# Altium PCB ESP32-HWE-Dev.PcbDoc (continued)
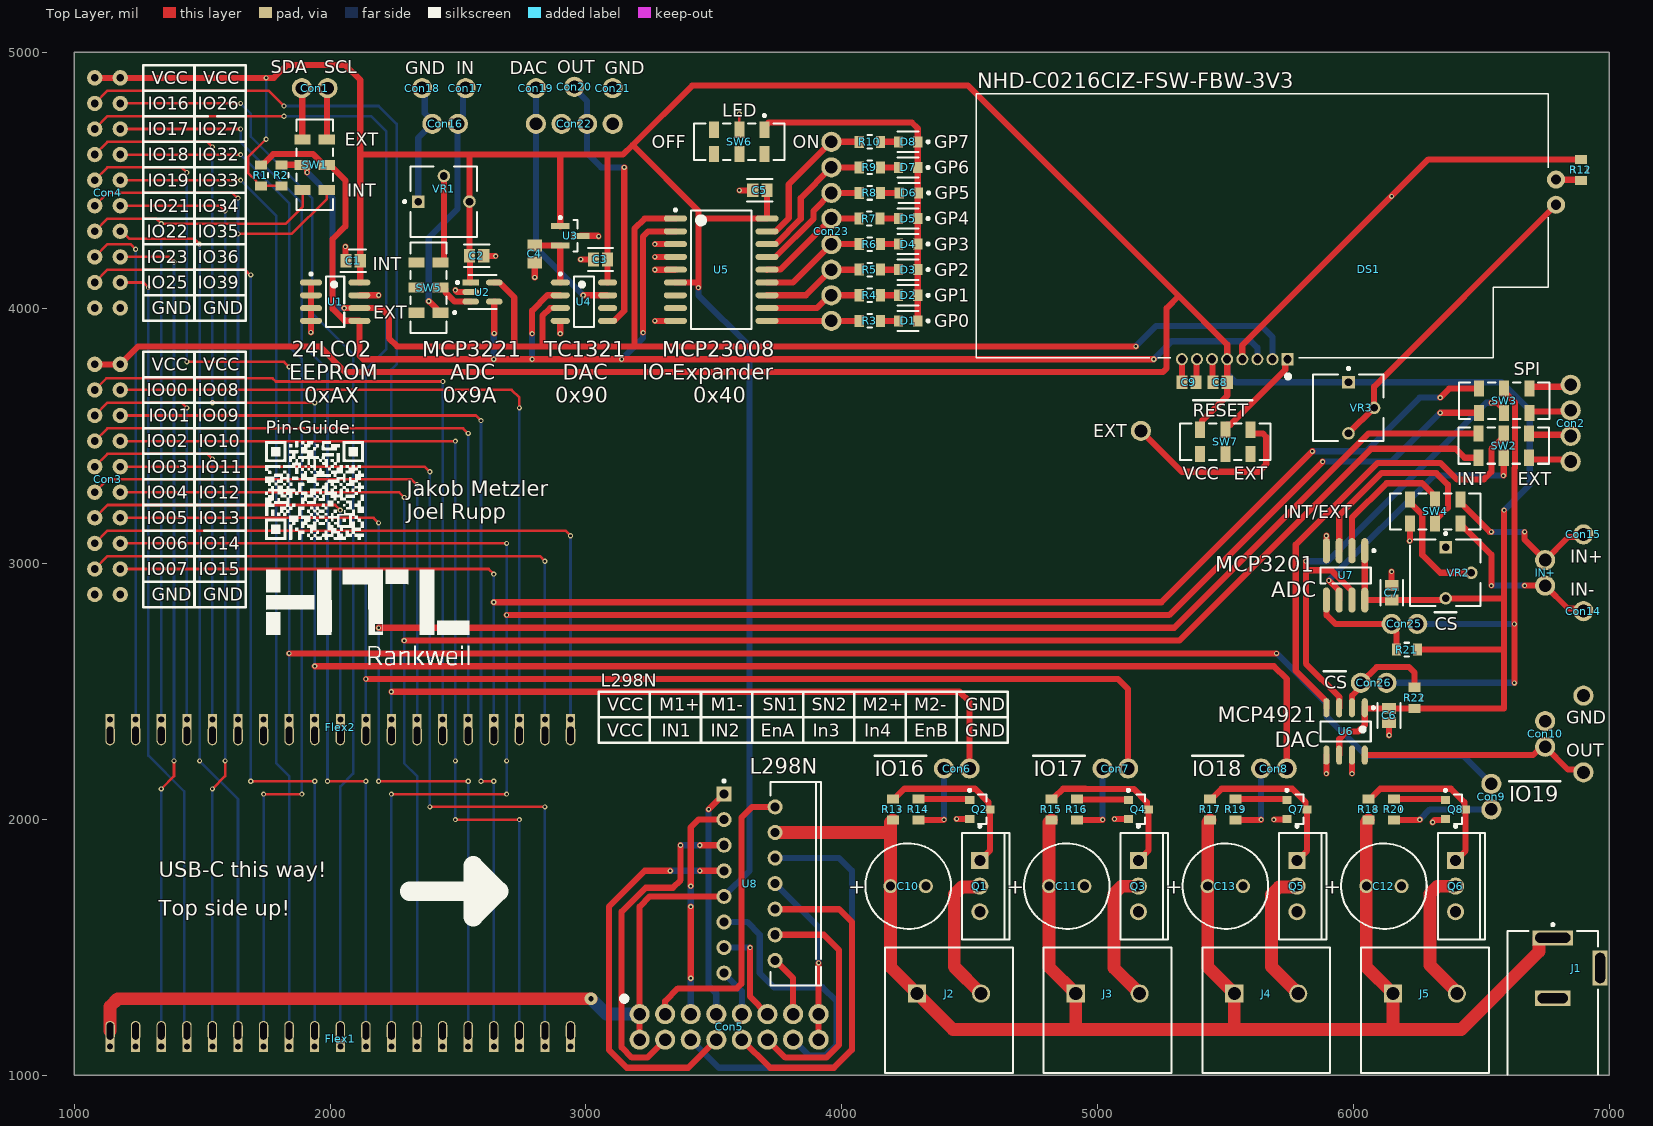
[diagram p0: Top Layer view]
## Part data (continued)
U4: library part CMP-0188-00049-2, "10-Bit Digital-to-Analog Converter with Two-Wire Interface, 8-Pin SOIC 150mil, Extended Temperature", Code_IPC=SOIC127P600-8, ComponentLink1Description="Manufacturer URL", ComponentLink1URL=http://www.microchip.com/, ComponentLink2Description=Datasheet, ComponentLink2URL=http://ww1.microchip.com/downloads/en/DeviceDoc/21387C.pdf, ComponentLink3Description="Package Specification", ComponentLink3URL=http://www.microchip.com/stellent/groups/techpub_sg/documents/packagingspec/en012702.pdf, DatasheetVersion="revC, Nov-2010", PackageDescription="8-Lead Plastic Small Outline (OA) - Narrow, 3.90mm Body [SOIC]", PackageReference=SOIC-OA8, PackageVersion="revBB, Aug-2009", RevisionNote="URLs added. DatasheetVersion updated."
U5: library part CMP-0186-00050-2, "8-Bit I/O Expander with Serial Interface, 18-Pin SOIC, Extended Temperature", Code_JEDEC=MS-013, ComponentLink1Description="Manufacturer URL", ComponentLink1URL=http://www.microchip.com/, ComponentLink2Description=Datasheet, ComponentLink2URL=http://ww1.microchip.com/downloads/en/DeviceDoc/21919e.pdf, ComponentLink3Description="Package Specification", ComponentLink3URL=http://www.microchip.com/stellent/groups/techpub_sg/documents/packagingspec/en012702.pdf, DatasheetVersion="revE, Aug-2007", PackageDescription="18-Lead Plastic Small Outline (SO) - Wide 7.50mm Body [SOIC]", PackageReference=SOIC-SO18, PackageVersion="revBB, Aug-2009", RevisionNote="URLs added."
U6: library part CMP-0188-00494-2, "12-Bit DAC with SPI Interface, 8-Pin SOIC 150mil, Extended Temperature, Tape and Reel", Code_IPC=SOIC127P600-8, Code_JEDEC=MS-012, ComponentLink1Description="Manufacturer URL", ComponentLink1URL=http://www.microchip.com/, ComponentLink2Description=Datasheet, ComponentLink2URL=http://ww1.microchip.com/downloads/en/DeviceDoc/22248a.pdf, ComponentLink3Description="Package Specification", ComponentLink3URL=http://www.microchip.com/stellent/groups/techpub_sg/documents/packagingspec/en012702.pdf, DatasheetVersion="revA, Apr-2010", PackageDescription="8-Lead Plastic Small Outline (SN) - Narrow, 3.90mm Body [SOIC]", PackageReference=SOIC-SN8, PackageVersion="revBB, Aug-2009", RevisionNote="URLs added. DatasheetVersion updated. Sch updated."
U7: library part CMP-0188-00467-2, "2.7V 12-Bit A/D Converter with SPI Serial Interface, 8-Pin SOIC 150mil, C Performance Grade, Industrial Temperature, Tape and Reel", Code_IPC=SOIC127P600-8, Code_JEDEC=MS-012, ComponentLink1Description="Manufacturer URL", ComponentLink1URL=http://www.microchip.com/, ComponentLink2Description=Datasheet, ComponentLink2URL=http://ww1.microchip.com/downloads/en/DeviceDoc/21290F.pdf, ComponentLink3Description="Package Specification", ComponentLink3URL=http://www.microchip.com/stellent/groups/techpub_sg/documents/packagingspec/en012702.pdf, DatasheetVersion="revF, Aug-2011", PackageDescription="8-Lead Plastic Small Outline (SN) - Narrow, 3.90mm Body [SOIC]", PackageReference=SOIC-SN8, PackageVersion="revBB, Aug-2009", RevisionNote="URLs added. DatasheetVersion updated."
U8: library part CMP-2000-06526-1, "Dual Full-Bridge Driver, 4.8 to 46 V, -40 to 150 degC, 15-Pin FM (MW 15L), RoHS, Tube", Driver Case Style=Multiwatt, Manufacturer=STMicroelectronics, Operating Temperature Max=130°C, Operating Temperature Min=-25°C, Output Current=2A, Output Voltage=46V, Package Description="15-Pin Flange Mount, Body 5 x 19.6 mm, Pitch 1.27 mm", Package Reference=FM-15, PartNumber=L298, Supply Voltage Max=7V, Supply Voltage Min=4.5V, Automotive Qualification Standard=-, Datasheet URL=https://datasheet.ciiva.com/15109/getdatasheetpartid-50682-15109332.pdf, Datasheet Version=01/2000, Manufacturer URL=http://www.st.com/, Motor Type=FullBridge, Mounting Technology=ThroughHole, MSL=-, No. of Outputs=4Outputs, No. of Pins=15Pins, Packaging=Each, Product Range=-, SVHC=NoSVHC(17-Dec-2015)
VR1 VR2 VR3: library part CMP-1747-00004-1, "Square Trimpot(R) Trimming Potentiometer, 10 KOhm, 300 V, -55 to 125 degC, 3-Pin THD, RoHS, Tube", Case Code (Imperial)=0612, Case Code (Metric)=1632, Case/Package=1206, Max Operating Temperature=125degC, Min Operating Temperature=-25degC, Package Quantity=5000, Power Rating="1 W", Resistance="50 mohm", Tolerance=1%, Voltage Rating="220 mV", ComponentLink1Description="Manufacturer URL", ComponentLink1URL=http://www.bourns.com/, ComponentLink2Description=Datasheet, ComponentLink2URL=http://www.bourns.com/docs/Product-Datasheets/3362.pdf, DatasheetVersion=May-16, Height="0.6 mm", Length="3.2 mm", Mount="Surface Mount", PackageDescription="3-Pin Through Hole Device, Body 6.6 x 6.99 mm, Pitch 2.54 mm", PackageReference=3326P, Packaging="Tape and Reel", Pins=2, REACH SVHC="No SVHC", RoHSCompliant=True, Width="1.6 mm"

## Via types
v1: diameter 20, hole 10, Top Layer to Bottom Layer, 140 vias
v2: diameter 50, hole 20, Top Layer to Bottom Layer, 1 vias

## Nets (pads, with @x,y where several pads share a name; then routed paths per layer and width w, separated by ;. In a path a pad name is that pad's centre, name@x,y a point inside that pad or via, vN(x,y) a via of type N, cw(c..) or ccw(c..) an arc to the next point about the centre after c; other vN are vias at no path point)
+12: C10.1 C11.1 C12.1 C13.1 J1.1 J2.1 J3.1 J4.1 J5.1 R13.1 R15.1 R17.1 R18.1 U8.4 | length 6491.9
  Top Layer w50: U8.4 4191.1,1950 ; R13.1 4191.1,1989.76 4191.1,1950 ; R15.1 4811.1,1989.76 C11.1 4811.1,1423.9 J3.1 4915,1185 4920,1180 ; R17.1 5431.1,1989.76 C13.1 5431.1,1423.9 J4.1 5535,1185 5540,1180 ; R18.1 6051.1,1989.76 C12.1 6051.1,1423.9 J5.1 6155,1185 ; J1.1 6730.79,1538.11 6726.26,1533.58 6726.26,1484.37 6421.89,1180 5540,1180 ; 4191.1,1950 C10.1 4191.1,1423.9 J2.1 4435,1180 4920,1180 ; 4920,1180 5540,1180
GND: C1.2 C2.2 C3.2 C4.2 C5.2 C6.2 C7.2 C10.2 C11.2 C12.2 C13.2 Con3.10 Con3.20 Con4.10 Con4.20 Con5.8 Con5.16 Con10.1 Con16.2 Con18.1 Con21.1 Con22.2 Con22.4 DS1.4 Flex1.14 Flex2.1 Flex2.7 GND.1 J1.2 J1.3 Q1.3 Q2.2 Q3.3 Q4.2 Q5.3 Q6.3 Q7.2 Q8.2 R12.2 SW4.7 SW6.2 U1.1 U1.2 U1.3 U1.4 U1.7 U2.2 U3.3 U4.4 U5.3 U5.4 U5.5 U5.9 U6.5 U6.7 U7.4 U8.8 VR1.1 VR2.1 | length 4554.9
  Top Layer w10: Con16.2@2395.63,4724.37 Con16.2 ; SW6.2 v1(3600,4760)
  Top Layer w24: v1(1925,3905) 1925.32,3905.32 1925.32,3949.81 U1.4 U1.3 U1.2 U1.1 ; v1(2060,4240) 2060,4187.21 C1.2 ; U1.7 v1(2190,4050) ; v1(2490,4070) 2497.34,4062.66 2549.94,4062.66 U2.2 ; C2.2 2608.29,4205 2610.32,4202.97 v1(2647.03,4202.97) ; v1(2800,4120) C4.2 ; v1(2900,3900) U4.4 ; U3.3 3047.4,4282.6 v1(3050,4280) ; v1(2980,4190) C3.2 ; v1(3270,3950) U5.9 ; v1(3270,4150) U5.5 ; v1(3270,4200) U5.4 ; v1(3270,4250) U5.3 ; v1(3600,4460) C5.2 ; Con5.8 Con5.16 v1(3910,1440) ; v1(4449.11,2002.77) 4449.28,2002.6 Q2.2 ; v1(5066.6,2002.51) 5066.68,2002.6 Q4.2 ; DS1.4 5566.22,3853.9 6293.66,4581.34 R12.2 ; v1(5690,2000) 5738.03,2000 Q7.2 ; v1(5895,2180) U6.5 ; U7.4 v1(5895,3109.75) ; v1(5995,2180) U6.7 ; v1(6140,2330) C6.2 ; C7.2 v1(6150,2970) ; v1(6220,3090) 6221.57,3091.57 SW4.7 ; v1(6310,1990) 6318.85,1998.85 6356.88,1998.85 Q8.2
  Top Layer w50: Q1.3@4540,1635.42 Q1.3
  Bottom Layer w24: VR1.1 2345,4665 Con16.2 2400,4731.43 2370,4761.43 Con18.1@2370,4874.76 ; U8.8 3910,1580 v1(3910,1440)
  other v1: 6149.79,4436.88
NetC4_1: C4.1 U3.2 U4.1 | length 245.3
  Top Layer w10: C4.1 C4.1@2800.2,4245.2
  Top Layer w24: C4.1@2800.2,4245.2 U3.2 U4.1
NetC8_1: C8.1 DS1.6 | length 91.8
  Top Layer w24: DS1.6 5450.28,3797.83 5450.28,3712.17 C8.1
NetC9_1: C9.1 DS1.8 | length 90
  Top Layer w24: C9.1 DS1.8
NetC9_2: C9.2 DS1.7 | length 91.6
  Top Layer w24: C9.2 5387.09,3711.97 5387.09,3798.03 DS1.7
NetCon1_1: Con1.1 SW1.3 | length 202.7
  Top Layer w24: SW1.3 1988.62,4659.8 1988.62,4858.62 Con1.1
NetCon1_2: Con1.2 SW1.7 | length 202.7
  Top Layer w24: Con1.2 1891.38,4858.62 1891.38,4659.8 SW1.7
NetCon2_1: Con2.1 SW2.3 | length 169.4
  Top Layer w24: SW2.3 6694.35,3407.5 6842.5,3407.5 Con2.1
NetCon2_2: Con2.2 SW2.7 | length 167.1
  Top Layer w24: SW2.7 6691.59,3504.74 6845.26,3504.74 Con2.2
NetCon2_3: Con2.3 SW3.3 | length 165.5
  Top Layer w24: SW3.3 6693.17,3595.26 6845.26,3595.26 Con2.3
NetCon2_4: Con2.4 SW3.7 | length 167.8
  Top Layer w24: SW3.7 6695.93,3692.5 6842.5,3692.5 Con2.4
NetCon3_2: Con3.2 Flex2.14 | length 2707.2
  Top Layer w10: Con3.2 1125,3725 1775.7,3725 1787.75,3712.95 v1(2441.15,3712.95)
  Bottom Layer w10: Flex2.14@2440,2391.02 2441.15,2392.18 v1(2441.15,3712.95)
NetCon3_3: Con3.3 Flex2.4 | length 1608.1
  Top Layer w10: Con3.3 1130,3630 1420,3630 v1(1440,3610)
  Bottom Layer w10: Flex2.4@1440,2391.02 1440.17,2391.2 1440.17,3609.83 v1(1440,3610)
NetCon3_4: Con3.4 Flex2.15 | length 2608
  Top Layer w10: Con3.4 1130,3530 2520,3530 v1(2540,3510)
  Bottom Layer w10: Flex2.15@2540,2391.02 v1(2540,3510)
NetCon3_5: Con3.5 Flex2.5 | length 1508
  Top Layer w10: Con3.5 1130,3430 1520,3430 v1(1540,3410)
  Bottom Layer w10: Flex2.5@1540,2391.02 v1(1540,3410)
NetCon3_6: Con3.6 Flex2.13 | length 2208
  Top Layer w10: Con3.6 1130,3330 2317.57,3330 2337.57,3310 v1(2340,3310)
  Bottom Layer w10: Flex2.13@2340,2391.02 v1(2340,3310)
NetCon3_7: Con3.7 Flex2.10 | length 1808
  Top Layer w10: Con3.7 1130,3230 2020,3230 v1(2040,3210)
  Bottom Layer w10: Flex2.10@2040,2391.02 v1(2040,3210)
NetCon3_8: Con3.8 Flex2.19 | length 2608
  Top Layer w10: Con3.8 1130,3130 2920,3130 v1(2940,3110)
  Bottom Layer w10: Flex2.19@2940,2391.02 v1(2940,3110)
NetCon3_9: Con3.9 Flex2.18 | length 2408
  Top Layer w10: Con3.9 1130,3030 2820,3030 v1(2840,3010)
  Bottom Layer w10: Flex2.18@2840,2391.02 v1(2840,3010)
NetCon3_12: Con3.12 Flex2.17 | length 2831.4
  Top Layer w10: Con3.12 2710,3680 2740,3650 v1(2740,3610)
  Bottom Layer w10: Flex2.17@2740,2391.02 v1(2740,3610)
NetCon3_13: Con3.13 Flex1.16 | length 3854.4
  Top Layer w10: Con3.13 2570,3580 v1(2590,3560) ; v1(2590,2150) v1(2640,2150)
  Bottom Layer w10: v1(2590,2150) 2590,2230 v1(2590,3560) ; Flex1.16@2640,1173.86 v1(2640,2150)
NetCon3_14: Con3.14 Flex1.17 | length 3866.1
  Top Layer w10: Con3.14 v1(2490,3480) ; v1(2490,2000) v1(2740,2000)
  Bottom Layer w10: v1(2490,2000) v1(2490,2230) v1(2490,3480) ; Flex1.17@2740,1173.86 v1(2740,2000)
NetCon3_15: Con3.15 Flex1.18 | length 3854.4
  Top Layer w10: Con3.15 2370,3380 v1(2390,3360) ; v1(2390,2050) v1(2840,2050)
  Bottom Layer w10: v1(2390,2050) v1(2390,3360) ; Flex1.18@2840,1173.86 v1(2840,2050)
NetCon3_16: Con3.16 Flex1.13 SW2.1 | length 7750.3
  Top Layer w10: Con3.16 2270,3280 v1(2290,3260)
  Top Layer w24: v1(2290,2700) 5320,2700 6070,3450 6400,3450 6435,3415 SW2.1
  Bottom Layer w10: v1(2290,3260) v1(2290,2700) 2290,2220 2340,2170 Flex1.13@2340,1173.86
NetCon3_17: Con3.17 Flex1.15 SW2.5 | length 7969
  Top Layer w10: Con3.17 2170,3180 v1(2190,3160) ; v1(2190,2150) v1(2540,2150)
  Top Layer w24: v1(2190,2750) 5300,2750 6059.49,3509.49 SW2.5
  Bottom Layer w10: v1(2190,2150) v1(2190,2750) v1(2190,3160) ; Flex1.15@2540,1173.86 v1(2540,2150)
NetCon3_18: Con3.18 Flex1.12 SW3.1 | length 7995.2
  Top Layer w10: Con3.18 v1(2690,3080) ; v1(2240,2100) v1(2690,2100)
  Top Layer w24: v1(2690,2800) 5280,2800 v1(5880,3400) ; v1(6340,3590.51) SW3.1
  Bottom Layer w10: Flex1.12@2240,1173.86 v1(2240,2100) ; v1(2690,2100) v1(2690,2230) v1(2690,2800) v1(2690,3080)
  Bottom Layer w24: v1(5880,3400) 6149.49,3400 v1(6340,3590.51)
NetCon3_19: Con3.19 Flex2.16 SW3.5 | length 6234.7
  Top Layer w10: Con3.19 2620,2980 v1(2640,2960)
  Top Layer w24: v1(2640,2850) 5250,2850 v1(5840,3440) ; v1(6340,3650) 6375,3685 SW3.5
  Bottom Layer w10: Flex2.16@2640,2391.02 v1(2640,2850) v1(2640,2960)
  Bottom Layer w24: v1(5840,3440) 6050,3440 6260,3650 v1(6340,3650)
NetCon4_2: Con4.2 Con6.1 Flex2.12 | length 6128.4
  Top Layer w10: Con4.2 1130,4850 1760,4850 v1(1820,4790)
  Top Layer w24: v1(2240,2500) 4460,2500 4500,2460 Con6.1
  Bottom Layer w10: v1(1820,4790) 2190,4790 2260,4720 2260,3780 2240,3760 v1(2240,2500) Flex2.12@2240,2391.02
NetCon4_3: Con4.3 Con7.1 Flex2.11 | length 6824.2
  Top Layer w10: Con4.3 1130,4750 v1(1820,4750)
  Top Layer w24: v1(2140,2550) 5080,2550 5120,2510 Con7.1
  Bottom Layer w10: v1(1820,4750) 2160,4750 2220,4690 2220,3840 2140,3760 v1(2140,2550) Flex2.11@2140,2391.02
NetCon4_4: Con4.4 Con8.1 Flex2.9 | length 7298.7
  Top Layer w10: Con4.4 1130,4650 1520,4650 v1(1540,4630) ; v1(1540,3630) v1(1940,3630)
  Top Layer w24: v1(1940,2600) 5690,2600 5740,2550 Con8.1
  Bottom Layer w10: v1(1540,3630) v1(1540,4630) ; Flex2.9@1940,2391.02 v1(1940,2600) v1(1940,3630)
NetCon4_5: Con4.5 Con9.1 Flex2.8 | length 7856.8
  Top Layer w10: Con4.5 1130,4550 1420,4550 v1(1440,4530) ; v1(1440,3790) 1820,3790 v1(1840,3770)
  Top Layer w24: v1(1840,2650) v1(5700,2650)
  Bottom Layer w10: v1(1440,3790) v1(1440,4530) ; Flex2.8@1840,2391.02 v1(1840,2650) v1(1840,3770)
  Bottom Layer w24: v1(5700,2650) 5895,2455 5895,2405 6050,2250 6430,2250 Con9.1
NetCon4_6: Con4.6 Flex2.6 SW1.1 | length 3066.4
  Top Layer w10: Con4.6 1130,4450 1617.57,4450 1637.57,4430 v1(1640,4430) ; v1(1640,4290) 1850,4290 1987.24,4427.24 SW1.1
  Bottom Layer w10: Flex2.6@1640,2391.02 v1(1640,4290) v1(1640,4430)
NetCon4_7: Con4.7 Flex2.3 SW1.5 | length 2874
  Top Layer w10: Con4.7 1130,4350 1320,4350 v1(1340,4330) 1827.39,4330 1892.76,4395.37 SW1.5
  Bottom Layer w10: Flex2.3@1340,2391.02 v1(1340,4330)
NetCon4_8: Con4.8 Flex2.2 | length 2028
  Top Layer w10: Con4.8 1130,4250 1220,4250 v1(1240,4230)
  Bottom Layer w10: Flex2.2@1240,2391.02 v1(1240,4230)
NetCon4_9: Con4.9 Flex1.9 | length 3845.1
  Top Layer w10: Con4.9 1130,4150 1667.57,4150 1687.57,4130 v1(1690,4130) ; v1(1690,2150) v1(1940,2150)
  Bottom Layer w10: v1(1690,2150) v1(1690,4130) ; Flex1.9@1940,1173.86 v1(1940,2150)
NetCon4_12: Con4.12 Flex1.10 | length 4299.1
  Top Layer w10: Con4.12 v1(1650,4800)
  Bottom Layer w10: v1(1650,4800) 1690,4760 1690,4670 1930,4430 1930,3980 2090,3820 2090,2230 2090,2180 2040,2130 Flex1.10@2040,1173.86
NetCon4_13: Con4.13 Flex1.11 | length 4287
  Top Layer w10: Con4.13 v1(1650,4700) ; v1(1990,2150) v1(2140,2150)
  Bottom Layer w10: v1(1650,4700) 1650,4650 1890,4410 1890,3860 1990,3760 v1(1990,2150) ; Flex1.11@2140,1173.86 v1(2140,2150)
NetCon4_14: Con4.14 Flex1.7 | length 4145.6
  Top Layer w10: Con4.14 v1(1650,4600) ; v1(1740,2100) v1(1890,2100)
  Bottom Layer w10: v1(1650,4600) 1840,4410 1840,3850 1890,3800 v1(1890,2100) ; Flex1.7@1740,1173.86 v1(1740,2100)
NetCon4_15: Con4.15 Flex1.8 | length 3874.8
  Top Layer w10: Con4.15 v1(1650,4500)
  Bottom Layer w10: v1(1650,4500) 1790,4360 1790,2220 1840,2170 Flex1.8@1840,1173.86
NetCon4_16: Con4.16 Flex1.5 | length 3645.1
  Top Layer w10: Con4.16 1567.57,4400 1587.57,4380 v1(1590,4380) ; v1(1540,2120) 1590,2170 v1(1590,2230)
  Bottom Layer w10: Flex1.5@1540,1173.86 v1(1540,2120) ; v1(1590,2230) v1(1590,4380)
NetCon4_17: Con4.17 Flex1.6 | length 3469
  Top Layer w10: Con4.17 1185.99,4300 1214.81,4271.17 1468.83,4271.17 v1(1490,4250)
  Bottom Layer w10: v1(1490,4250) v1(1490,2230) 1640,2080 Flex1.6@1640,1173.86
NetCon4_18: Con4.18 Flex1.3 | length 3245.1
  Top Layer w10: Con4.18 1370,4200 v1(1390,4180) ; v1(1340,2120) 1390,2170 v1(1390,2230)
  Bottom Layer w10: Flex1.3@1340,1173.86 v1(1340,2120) ; v1(1390,2230) v1(1390,4180)
NetCon4_19: Con4.19 Flex1.4 | length 3086.6
  Top Layer w10: Con4.19 1270,4100 v1(1290,4080)
  Bottom Layer w10: v1(1290,4080) 1290,2250 1430,2110 1430,1211.94 1440,1201.94 Flex1.4@1440,1173.86
NetCon5_2: Con5.2 U8.5 | length 1332.9
  Top Layer w24: Con5.2 3240,1070 3180,1070 3140,1110 3140,1640 3234,1734 3340,1734 3370,1764 v1(3370,1900) ; v1(3446,1900) U8.5
  Bottom Layer w24: v1(3370,1900) v1(3446,1900)
NetCon5_3: Con5.3 U8.7 | length 1562.5
  Top Layer w24: v1(3330,1800) 3230,1800 3090,1660 3090,1100 3160,1030 3400,1030 Con5.3 ; v1(3446,1800) U8.7
  Bottom Layer w24: v1(3330,1800) v1(3446,1800)
NetCon5_4: Con5.4 U8.6 | length 1725.3
  Bottom Layer w24: Con5.4 3520,1030 3970,1030 4040,1100 4040,1800 3990,1850 U8.6
NetCon5_5: Con5.5 U8.10 | length 1325.3
  Top Layer w24: Con5.5 3720,1030 3970,1030 4040,1100 4040,1600 3990,1650 U8.10
NetCon5_6: Con5.6 U8.12 | length 974.6
  Top Layer w24: Con5.6 3780,1070 3940,1070 3990,1120 3990,1490 3930,1550 U8.12
NetCon5_7: Con5.7 U8.11 | length 1038.8
  Bottom Layer w24: U8.11 3630,1600 3680,1550 3680,1400 3735,1345 3925,1345 3980,1290 3980,1120 3938.63,1078.63 3871.37,1078.63 Con5.7
NetCon5_10: Con5.10 U8.2 | length 1175.6
  Top Layer w24: Con5.10 3310,1290 3360,1340 3590,1340 3608,1358 3608,2008 3650,2050 U8.2
NetCon5_11: Con5.11 U8.3 | length 872.4
  Top Layer w24: v1(3410,1380) v1(3410,1660) ; v1(3410,1740) 3410,1970 3440,2000 U8.3
  Bottom Layer w24: Con5.11 v1(3410,1380) ; v1(3410,1660) v1(3410,1740)
NetCon5_12: Con5.12 U8.1 | length 897.3
  Top Layer w24: v1(3480,2040) U8.1
  Bottom Layer w24: v1(3480,2040) 3480,1350 3510,1320 Con5.12
NetCon5_13: Con5.13 U8.15 | length 189
  Bottom Layer w24: U8.15 3610,1330 Con5.13
NetCon5_14: Con5.14 U8.13 | length 390.2
  Top Layer w24: v1(3642,1500) 3642,1308 Con5.14
  Bottom Layer w24: U8.13 v1(3642,1500)
NetCon5_15: Con5.15 U8.14 | length 239
  Top Layer w24: U8.14 3810,1380 Con5.15
NetCon6_2: Con6.2 R14.1 | length 280.6
  Top Layer w24: R14.1 4398.66,1998.66 v1(4400,2000)
  Bottom Layer w24: v1(4400,2000) Con6.2@4400,2180
NetCon7_2: Con7.2 R16.1 | length 280.6
  Top Layer w24: R16.1 5018.66,1998.66 v1(5020,2000)
  Bottom Layer w24: v1(5020,2000) Con7.2@5020,2180
NetCon8_2: Con8.2 R19.1 | length 280.6
  Top Layer w24: R19.1 5638.66,1998.66 v1(5640,2000)
  Bottom Layer w24: v1(5640,2000) Con8.2@5640,2180
NetCon9_2: Con9.2 R20.1 | length 397.1
  Top Layer w24: R20.1 6258.66,1998.66 v1(6260,2000)
  Bottom Layer w24: v1(6260,2000) 6300,2040 Con9.2
NetCon10_2: Con10.2 OUT.1 U6.8 | length 909.9
  Top Layer w24: U6.8 6702.67,2252.48 6735.19,2285 Con10.2 6839.53,2195.47 6889.53,2195.47 OUT.1
NetCon13_1: Con14.1 IN+.1 SW4.5 | length 694.5
  Top Layer w24: SW4.5 6540,3036.18 v1(6540,2915) ; v1(6670,2915) IN+.1 6839.53,2825.47 6889.53,2825.47 Con14.1
  Bottom Layer w24: v1(6540,2915) v1(6670,2915)
NetCon13_2: Con15.1 IN+.2 SW4.1 | length 645.8
  Top Layer w24: SW4.1 6418.43,3240.43 6533.86,3125 v1(6540,3125) ; v1(6670,3125) 6670,3095 IN+.2 6839.53,3104.53 6889.53,3104.53 Con15.1
  Bottom Layer w24: v1(6540,3125) v1(6670,3125)
NetCon16_1: Con16.1 Con17.1 SW5.1 | length 981
  Top Layer w10: Con17.1@2530,4851.4 Con17.1@2530,4870
  Top Layer w24: v1(2385.94,4026.65) 2387.17,4026.65 SW5.1
  Bottom Layer w24: v1(2385.94,4026.65) 2385.94,4275.08 2498.39,4387.53 2498.39,4733.21 2520,4754.81 Con17.1@2520,4868.58
NetCon19_1: Con19.1 Con22.1 U4.7 | length 981.7
  Top Layer w24: v1(2990,4050) U4.7
  Bottom Layer w24: Con19.1 Con22.1 2805,4235 v1(2990,4050)
NetCon20_1: Con20.1 Con22.3 U4.5 | length 1090.2
  Top Layer w24: U4.5 3110.25,3950 3150,3989.75 v1(3150,4550)
  Bottom Layer w24: Con20.1 2955,4858.41 3005,4808.41 Con22.3 3005,4605 3060,4550 v1(3150,4550)
NetCon23_1: Con23.1 R3.2 U5.10 | length 360.4
  Top Layer w24: U5.10 Con23.1 R3.2
NetCon23_2: Con23.2 R4.2 U5.11 | length 381.1
  Top Layer w24: U5.11 3903.41,4000 3953.41,4050 Con23.2 R4.2
NetCon23_3: Con23.3 R5.2 U5.12 | length 401.8
  Top Layer w24: U5.12 3860,4050 Con23.3 R5.2
NetCon23_4: Con23.4 R6.2 U5.13 | length 422.5
  Top Layer w24: U5.13 3810,4100 Con23.4 R6.2
NetCon23_5: Con23.5 R7.2 U5.14 | length 441.9
  Top Layer w24: U5.14 3708.46,4150.19 3760.19,4150.19 Con23.5 R7.2
NetCon23_6: Con23.6 R8.2 U5.15 | length 482.3
  Top Layer w24: U5.15 3741.35,4200 3890,4348.65 3890,4380 Con23.6 R8.2
NetCon23_7: Con23.7 R9.2 U5.16 | length 499
  Top Layer w24: U5.16@3741.54,4250.19 3840,4348.65 3840,4430 Con23.7 R9.2
NetCon23_8: Con23.8 R10.2 U5.17 | length 549
  Top Layer w24: U5.17@3741.54,4300.19 3793.34,4351.98 3793.34,4483.34 Con23.8 R10.2
NetCon24_1: EXT.1 SW7.7 | length 752
  Top Layer w24: EXT.1 5330,3360 5630,3360 5660,3390 5660,3495.94 5645.94,3510 5606.11,3510 5598.43,3517.69 SW7.7
NetCon25_1: Con25.1 R21.2 U7.5 | length 435.8
  Top Layer w24: U7.5 5895.68,2857.86 5895.68,2799.32 5930,2765 Con25.1 6150,2750.19 6168.66,2731.53 R21.2
NetCon25_2: Con25.2 Con26.1 SW3.6 | length 2048
  Top Layer w24: SW3.6 6590,3673.19 6631.68,3631.5 6631.68,3375.97 6630,3374.28 v1(6630,2765) v1(6630,2535)
  Bottom Layer w24: Con26.1 v1(6630,2535) ; Con25.2 v1(6630,2765)
NetCon26_2: Con26.2 R22.2 U6.2 | length 413.6
  Top Layer w24: U6.2 5995.19,2437.71 5995.19,2485.38 6030,2520.19 Con26.2 6091.37,2596.37 6218.63,2596.37 6240,2575 R22.2
NetD1_1: D1.1 D2.1 D3.1 D4.1 D5.1 D6.1 D7.1 D8.1 SW6.1 | length 1379.3
  Top Layer w24: SW6.1 3698.43,4709.06 3714.37,4725 4275,4725 4297.4,4702.6 D8.1 D7.1 D5.1 D4.1 D3.1 D2.1 D1.1
NetD1_2: D1.2 R3.1 | length 71.3
  Top Layer w24: R3.1 D1.2
NetD2_2: D2.2 R4.1 | length 71.3
  Top Layer w24: R4.1 D2.2
NetD3_2: D3.2 R5.1 | length 71.3
  Top Layer w24: R5.1 D3.2
NetD4_2: D4.2 R6.1 | length 71.3
  Top Layer w24: R6.1 D4.2
NetD5_2: D5.2 R7.1 | length 72.6
  Top Layer w24: R7.1 D5.2
NetD6_2: D6.2 R8.1 | length 73.9
  Top Layer w24: R8.1 D6.2
NetD7_2: D7.2 R9.1 | length 71.3
  Top Layer w24: R9.1 D7.2
NetD8_2: D8.2 R10.1 | length 71.3
  Top Layer w24: R10.1 D8.2
NetDS1_1: DS1.1 SW7.6 | length 383.2
  Top Layer w24: SW7.6 5500,3536.3 5507.69,3543.98 5519.5,3543.98 5734.37,3758.86 5734.37,3790.99 DS1.1
NetDS1_2: DS1.2 R2.2 SW1.6 U1.6 U2.5 U4.3 U5.1 | length 5723.3
  Top Layer w24: R2.2 SW1.6 1902.31,4560 1910,4552.31 v1(1910,4530) ; v1(2055.25,4000) 2200,4000 2230,3970 2230,3882.57 2262.57,3850 2830,3850 ; U2.5 2661.91,4100 2720,4041.91 2720,3864.06 ; U4.3 2860,4000 2830,3970 2830,3850 ; U5.1 3230,4350 3190,4310 3190,3850 ; v1(5150,3850) 3190,3850 ; 2830,3850 3190,3850
  Bottom Layer w24: v1(1910,4530) 2010,4430 2010,4030 2040,4000 v1(2055.25,4000) ; v1(5150,3850) 5230,3930 5640,3930 5684.33,3885.67 DS1.2
NetDS1_3: DS1.3 R1.2 SW1.2 U1.5 U2.4 U4.2 U5.2 | length 5972.1
  Top Layer w24: R1.2 1735.91,4560 1777.59,4601.69 1933.75,4601.69 1975.43,4560 SW1.2 1999.06,4560 2060,4499.06 2060,4320 2010,4270 2010,3997.17 2056.98,3950.19 2114.3,3950.19 U1.5 2114.49,3815.51 2130,3800 v1(2640,3800) v1(5220,3800) ; v1(2641.72,3901.11) 2641.83,3901.22 U2.4 ; v1(2790,3900) 2790,3990 2850,4050 U4.2 ; v1(3224,3904) 3224,4279.94 3244.06,4300 U5.2
  Bottom Layer w24: v1(2640,3800) 2640,3899.39 v1(2641.72,3901.11) ; v1(2790,3800) v1(2790,3900) ; v1(3140,3800) 3224,3884 v1(3224,3904) ; v1(5220,3800) 5290,3870 5600,3870 5625.28,3844.72 DS1.3
NetDS1_A: DS1.A VR3.2 VR3.3 | length 1230
  Top Layer w24: VR3.3 VR3.2 6081.38,3692.72 DS1.A
NetDS1_K: DS1.K R12.1 | length 97.8
  Top Layer w24: DS1.K 6793.11,4501.85 6889.49,4501.85 R12.1@6890,4501.34
NetFlex1_2: Flex1.2
NetFlex1_19: Flex1.19
NetJ2_2: J2.2 Q1.2 | length 544.4
  Top Layer w50: Q1.2 4536.76,1736.76 4469.29,1736.76 4440,1707.47 4440,1425 J2.2
NetJ3_2: J3.2 Q3.2 | length 539.3
  Top Layer w50: Q3.2 5094.29,1740 5065,1710.71 5065,1420 J3.2
NetJ4_2: J4.2 Q5.2 | length 544.4
  Top Layer w50: Q5.2 5776.76,1736.76 5709.29,1736.76 5680,1707.47 5680,1425 J4.2
NetJ5_2: J5.2 Q6.2 | length 546.3
  Top Layer w50: Q6.2 6329.29,1740 6300,1710.71 6300,1430.65 6405,1325.65 J5.2
NetQ1_1: Q1.1 Q2.3 R13.2 | length 660.5
  Top Layer w24: R13.2 4205.91,2081.34 4245.62,2121.06 4521.55,2121.06 4573.65,2068.96 4573.65,2043.75 4577.4,2040 Q2.3 4579.37,1879.37 Q1.1
NetQ2_1: Q2.1 R14.2 | length 202.3
  Top Layer w24: R14.2 4494.72,2081.34 4498.66,2077.4 Q2.1
NetQ3_1: Q3.1 Q4.3 R15.2 | length 660.5
  Top Layer w24: R15.2 4825.72,2087.06 4831.62,2087.06 4865.62,2121.06 4952.73,2121.06 4953.79,2120 5142.61,2120 5193.65,2068.96 5193.65,2043.75 5197.4,2040 Q4.3 5199.37,1879.37 Q3.1
NetQ4_1: Q4.1 R16.2 | length 202.3
  Top Layer w24: R16.2 4921.97,2079.37 5118.66,2079.37 Q4.1
NetQ5_1: Q5.1 Q7.3 R17.2 | length 660.5
  Top Layer w24: R17.2 5445.91,2081.34 5485.62,2121.06 5761.55,2121.06 5813.65,2068.96 5813.65,2043.75 5817.4,2040 Q7.3 5819.37,1879.37 Q5.1
NetQ6_1: Q6.1 Q8.3 R18.2 | length 660.5
  Top Layer w24: R18.2 6065.91,2081.34 6105.62,2121.06 6381.55,2121.06 6433.65,2068.96 6433.65,2043.75 6437.4,2040 Q8.3 6439.37,1879.37 Q6.1
NetQ7_1: Q7.1 R19.2 | length 202.3
  Top Layer w24: R19.2 5734.72,2081.34 5738.66,2077.4 Q7.1
NetQ8_1: Q8.1 R20.2 | length 202.3
  Top Layer w24: R20.2 6354.72,2081.34 6358.66,2077.4 Q8.1
NetSW2_2: SW2.2 U7.6 | length 1015.9
  Top Layer w24: v1(5904.58,2935) 5945,2894.58 U7.6 ; v1(6586.79,3344.97) 6588.43,3346.61 SW2.2
  Bottom Layer w24: v1(5904.58,2935) 6314.55,3344.97 v1(6586.79,3344.97)
NetSW2_6: SW2.6 U6.4 | length 1793.6
  Top Layer w24: U6.4 5895,2462.73 5775,2582.73 5775,3075 6095,3395 6340,3395 6405,3330 6510,3330 6540.37,3360.37 6540.37,3449.62 6588.43,3497.68 SW2.6
NetSW3_2: SW3.2 U6.3 U7.7 | length 1916.8
  Top Layer w24: v1(5815,3010) 5815,2610 5945,2480 U6.3 ; 5829.06,2975 5914.58,2975 5995,2894.58 U7.7 ; v1(6540,3630) 6562.32,3630 6590,3602.32 SW3.2
  Bottom Layer w24: v1(5815,3010) 5900,3010 6520.06,3630.06 6539.94,3630.06 v1(6540,3630)
NetSW4_2: SW4.2 U7.2 | length 542.4
  Top Layer w24: U7.2 5995,3180 6130,3315 6269.06,3315 6320,3264.06 SW4.2
NetSW4_3: SW4.3 VR2.2 | length 457.7
  Top Layer w24: SW4.3 6221.57,3240.43 6270,3192.01 6270,3035 6340,2965 VR2.2
NetSW4_6: SW4.6 U7.3 | length 823.5
  Top Layer w24: U7.3 5945,3190 6110,3355 6325,3355 6370,3310 6370,3219.57 6320,3169.57 SW4.6
NetSW5_2: SW5.2 U2.3 | length 147.6
  Top Layer w24: SW5.2 2444.06,4080 2451.74,4072.31 2451.74,4060.18 2486.72,4025.2 U2.3
NetSW5_3: SW5.3 VR1.2 | length 343.2
  Top Layer w10: SW5.3 SW5.3@2445,4191.18
  Top Layer w24: SW5.3@2445,4191.18 VR1.2
VCC: C1.1 C2.1 C3.1 C5.1 C6.1 C7.1 C8.2 Con3.1 Con3.11 Con4.1 Con4.11 Con5.1 Con5.9 DS1.5 Flex1.1 R1.1 R2.1 R21.1 R22.1 SW7.5 U1.8 U2.1 U3.1 U4.8 U5.6 U5.18 U6.1 U6.6 U7.1 U7.8 U8.9 VR1.3 VR2.3 VR3.1 | length 23664.6
  Top Layer w10: v1(1750,4660) 1680,4590 1680,4527.32 1711.38,4495.94 1711.38,4490.04 1724.09,4477.32 R1.1 R2.1
  Top Layer w24: Con3.1 Con3.11 1250,3850 1960,3850 2060,3750 5255.94,3750 5270,3764.06 5270,4000 5317.17,4047.17 ; Con4.1 Con4.11 v1(1750,4900) 1780,4900 1830,4950 2060,4950 2117.79,4892.21 2117.79,4597.79 ; U1.8 2117.6,4100 2117.79,4100.19 C1.1 2117.79,4597.79 ; U2.1 2547.66,4100 2547.5,4100.16 2547.5,4202.5 C2.1 VR1.3 2545,4595 2540,4600 ; U3.1 2900,4600 ; U4.8 C3.1 3085,4595 3080,4600 ; Con5.1 Con5.9 3210,1660 3250,1700 U8.9 ; U5.6 3440,4100 ; v1(3440,4080) 3440,4100 ; C5.1 3708.03,4459.76 3708.03,4350.19 U5.18@3708.22,4350 ; U5.18 U5.18@3708.22,4350 ; SW7.5 5409.26,3532.17 5409.26,3559.26 5507.56,3657.56 C8.2 5507.36,3710.2 5507.36,3799.8 DS1.5 5507.17,3857.17 5317.17,4047.17 ; U6.6 5945.19,2252.67 5945.19,2315.19 5975,2345 6020,2345 6044.81,2369.81 6044.81,2437.33 U6.1 6045,2435.19 6045.19,2435 C6.1 R22.1 6590,2435 6590,2865 ; U7.1 U7.8 6045.44,2858.98 6149.56,2858.98 C7.1 6348.98,2859.43 6354.56,2865 6590,2865 ; R21.1 6575.94,2665 ; v1@6590,3208.18 6590,2865 ; 2117.79,4597.79 2120,4600 2540,4600 ; 2540,4600 2900,4600 ; 2900,4600 3080,4600 ; 3080,4600 3145,4600 3182.5,4637.5 ; 3182.5,4637.5 3440,4380 3440,4350 ; 3182.5,4637.5 3415,4870 4494.33,4870 5317.17,4047.17 ; 3440,4100 3440,4350 ; 3440,4350 U5.18@3708.22,4350
  Top Layer w50: Flex1.1@1140,1173.86 1140,1270 1170,1300 v2(3020,1300)
  Bottom Layer w10: v1(1750,4660) v1(1750,4900)
  Bottom Layer w24: v1(3440,4080) 3440,4050 3640,3850 3640,1800 U8.9 ; DS1.5 5507.17,3742.83 5540,3710 VR3.1 6580,3710 6690,3600 6690,3310 v1(6590,3210)
  Bottom Layer w50: v2(3020,1300) 3080,1240 Con5.9
pads on no net: SW5.5 SW5.6 SW5.7 SW6.3 SW6.5 SW6.6 SW6.7 SW7.1 SW7.2 SW7.3 U4.6 U5.7 U5.8

## Polygon pours and split planes (outlines as drawn)
GND on Bottom Layer "GND" (solid, pour order 1): 1000,5000 7000,5000 7000,1000 1000,1000

## Other copper
Bottom Layer:
  pour cut-out: 2890,2350 3389.28,2350 3389.28,1150 2890,1150

## Silkscreen, mask and mechanical layers (free items; w line width, h text height)
Top Overlay:
  drawing of 178 lines, arcs and shapes, not listed
  text "SDA" at 1768.71,4918 h50
  text "SCL" at 1978,4918 h50
  text "GND" at 2293.35,4915.01 h50
  text "IN" at 2492.51,4915.01 h50
  text "VCC" at 1303.35,4875.01 h50
  text "VCC" at 1503.35,4875.01 h50
  text "IO16" at 1286.69,4775.01 h50
  text "IO26" at 1482.53,4775.01 h50
  text "LED" at 3533.35,4748 h50
  text "IO17" at 1286.69,4675.01 h50
  text "IO27" at 1482.53,4675.01 h50
  text "EXT" at 2058,4635.01 h50
  text "OFF" at 3258.35,4625.01 h50
  text "ON" at 3808.35,4625.01 h50
  text "IO18" at 1286.69,4575.01 h50
  text "IO32" at 1482.53,4575.01 h50
  text "IO19" at 1286.69,4475.01 h50
  text "IO33" at 1482.53,4475.01 h50
  text "INT" at 2068,4435.01 h50
  text "IO21" at 1290.86,4375.01 h50
  text "IO34" at 1482.53,4375.01 h50
  text "IO22" at 1282.53,4275.01 h50
  text "IO35" at 1482.53,4275.01 h50
  text "IO23" at 1282.53,4175.01 h50
  text "IO36" at 1482.53,4175.01 h50
  text "INT" at 2167.31,4148 h50
  text "IO25" at 1282.53,4075.01 h50
  text "IO39" at 1482.53,4075.01 h50
  text "GND" at 1303.35,3975.01 h50
  text "GND" at 1503.35,3975.01 h50
  text "EXT" at 2168,3958 h50
  text "VCC" at 1303.35,3755.01 h50
  text "VCC" at 1503.35,3755.01 h50
  text "SPI" at 6628,3738 h50
  text "EEPROM" at 1840.06,3720.01 h60
  text "ADC" at 2470.03,3720.01 h60
  text "DAC" at 2910.03,3720.01 h60
  text "IO-Expander" at 3220.1,3720.01 h60
  text "IO00" at 1282.53,3655.01 h50
  text "IO08" at 1482.53,3655.01 h50
  text "0xAX" at 1900.04,3630.01 h60
  text "0x9A" at 2440.04,3630.01 h60
  text "0x90" at 2880.04,3630.01 h60
  text "0x40" at 3420.04,3630.01 h60
  text "RESET" at 5373.37,3575.01 h50
  text "IO01" at 1290.86,3555.01 h50
  text "IO09" at 1482.53,3555.01 h50
  text "Pin-Guide:" at 1748,3508 h50
  text "IO02" at 1282.53,3455.01 h50
  text "IO10" at 1486.69,3455.01 h50
  text "IO03" at 1282.53,3355.01 h50
  text "IO11" at 1495.02,3355.01 h50
  text "VCC" at 5333.35,3328 h50
  text "EXT" at 5533.35,3328 h50
  text "INT" at 6407.52,3308 h50
  text "EXT" at 6643.35,3308 h50
  text "IO04" at 1282.53,3255.01 h50
  text "IO12" at 1486.69,3255.01 h50
  text "INT/EXT" at 5728,3178 h50
  text "Jakob Metzler / Joel Rupp" at 2300,3175 h60
  text "IO05" at 1282.53,3155.01 h50
  text "IO13" at 1486.69,3155.01 h50
  text "IO06" at 1282.53,3055.01 h50
  text "IO14" at 1486.69,3055.01 h50
  text "IO07" at 1282.53,2955.01 h50
  text "IO15" at 1486.69,2955.01 h50
  text "ADC" at 5680,2870 h60
  text "GND" at 1303.35,2855.01 h50
  text "GND" at 1503.35,2855.01 h50
  text "CS" at 6318.35,2741.02 h50
  text "L298N" at 3058,2519 h50
  text "CS" at 5886.75,2511.02 h50
  text "VCC" at 3083.35,2425.01 h50
  text "M1+" at 3287.52,2425.01 h50
  text "M1-" at 3487.52,2425.01 h50
  text "SN1" at 3691.69,2425.01 h50
  text "SN2" at 3883.35,2425.01 h50
  text "M2+" at 4083.35,2425.01 h50
  text "M2-" at 4283.35,2425.01 h50
  text "GND" at 4483.35,2425.01 h50
  text "VCC" at 3083.35,2325.01 h50
  text "IN1" at 3295.85,2325.01 h50
  text "IN2" at 3487.52,2325.01 h50
  text "EnA" at 3683.35,2325.01 h50
  text "In3" at 3887.52,2325.01 h50
  text "In4" at 4087.52,2325.01 h50
  text "EnB" at 4283.35,2325.01 h50
  text "GND" at 4483.35,2325.01 h50
  text "DAC" at 5692.69,2282.53 h60
  text "IO16" at 4130,2170 h60
  text "IO17" at 4750,2170 h60
  text "IO18" at 5370,2170.02 h60
  text "IO19" at 6610,2070 h60
  text "USB-C this way!" at 1330,1775.01 h60
  text "Top side up!" at 1330,1625.01 h60

## Text inside footprints (layer, text, board x,y; h text height)
C10: Top Overlay "+" at 4025,1710 h60
C11: Top Overlay "+" at 4645,1710 h60
C12: Top Overlay "+" at 5885,1710 h60
C13: Top Overlay "+" at 5265,1710 h60